# KiCad board arena_10_of_10_v1r1.kicad_pcb (continued)
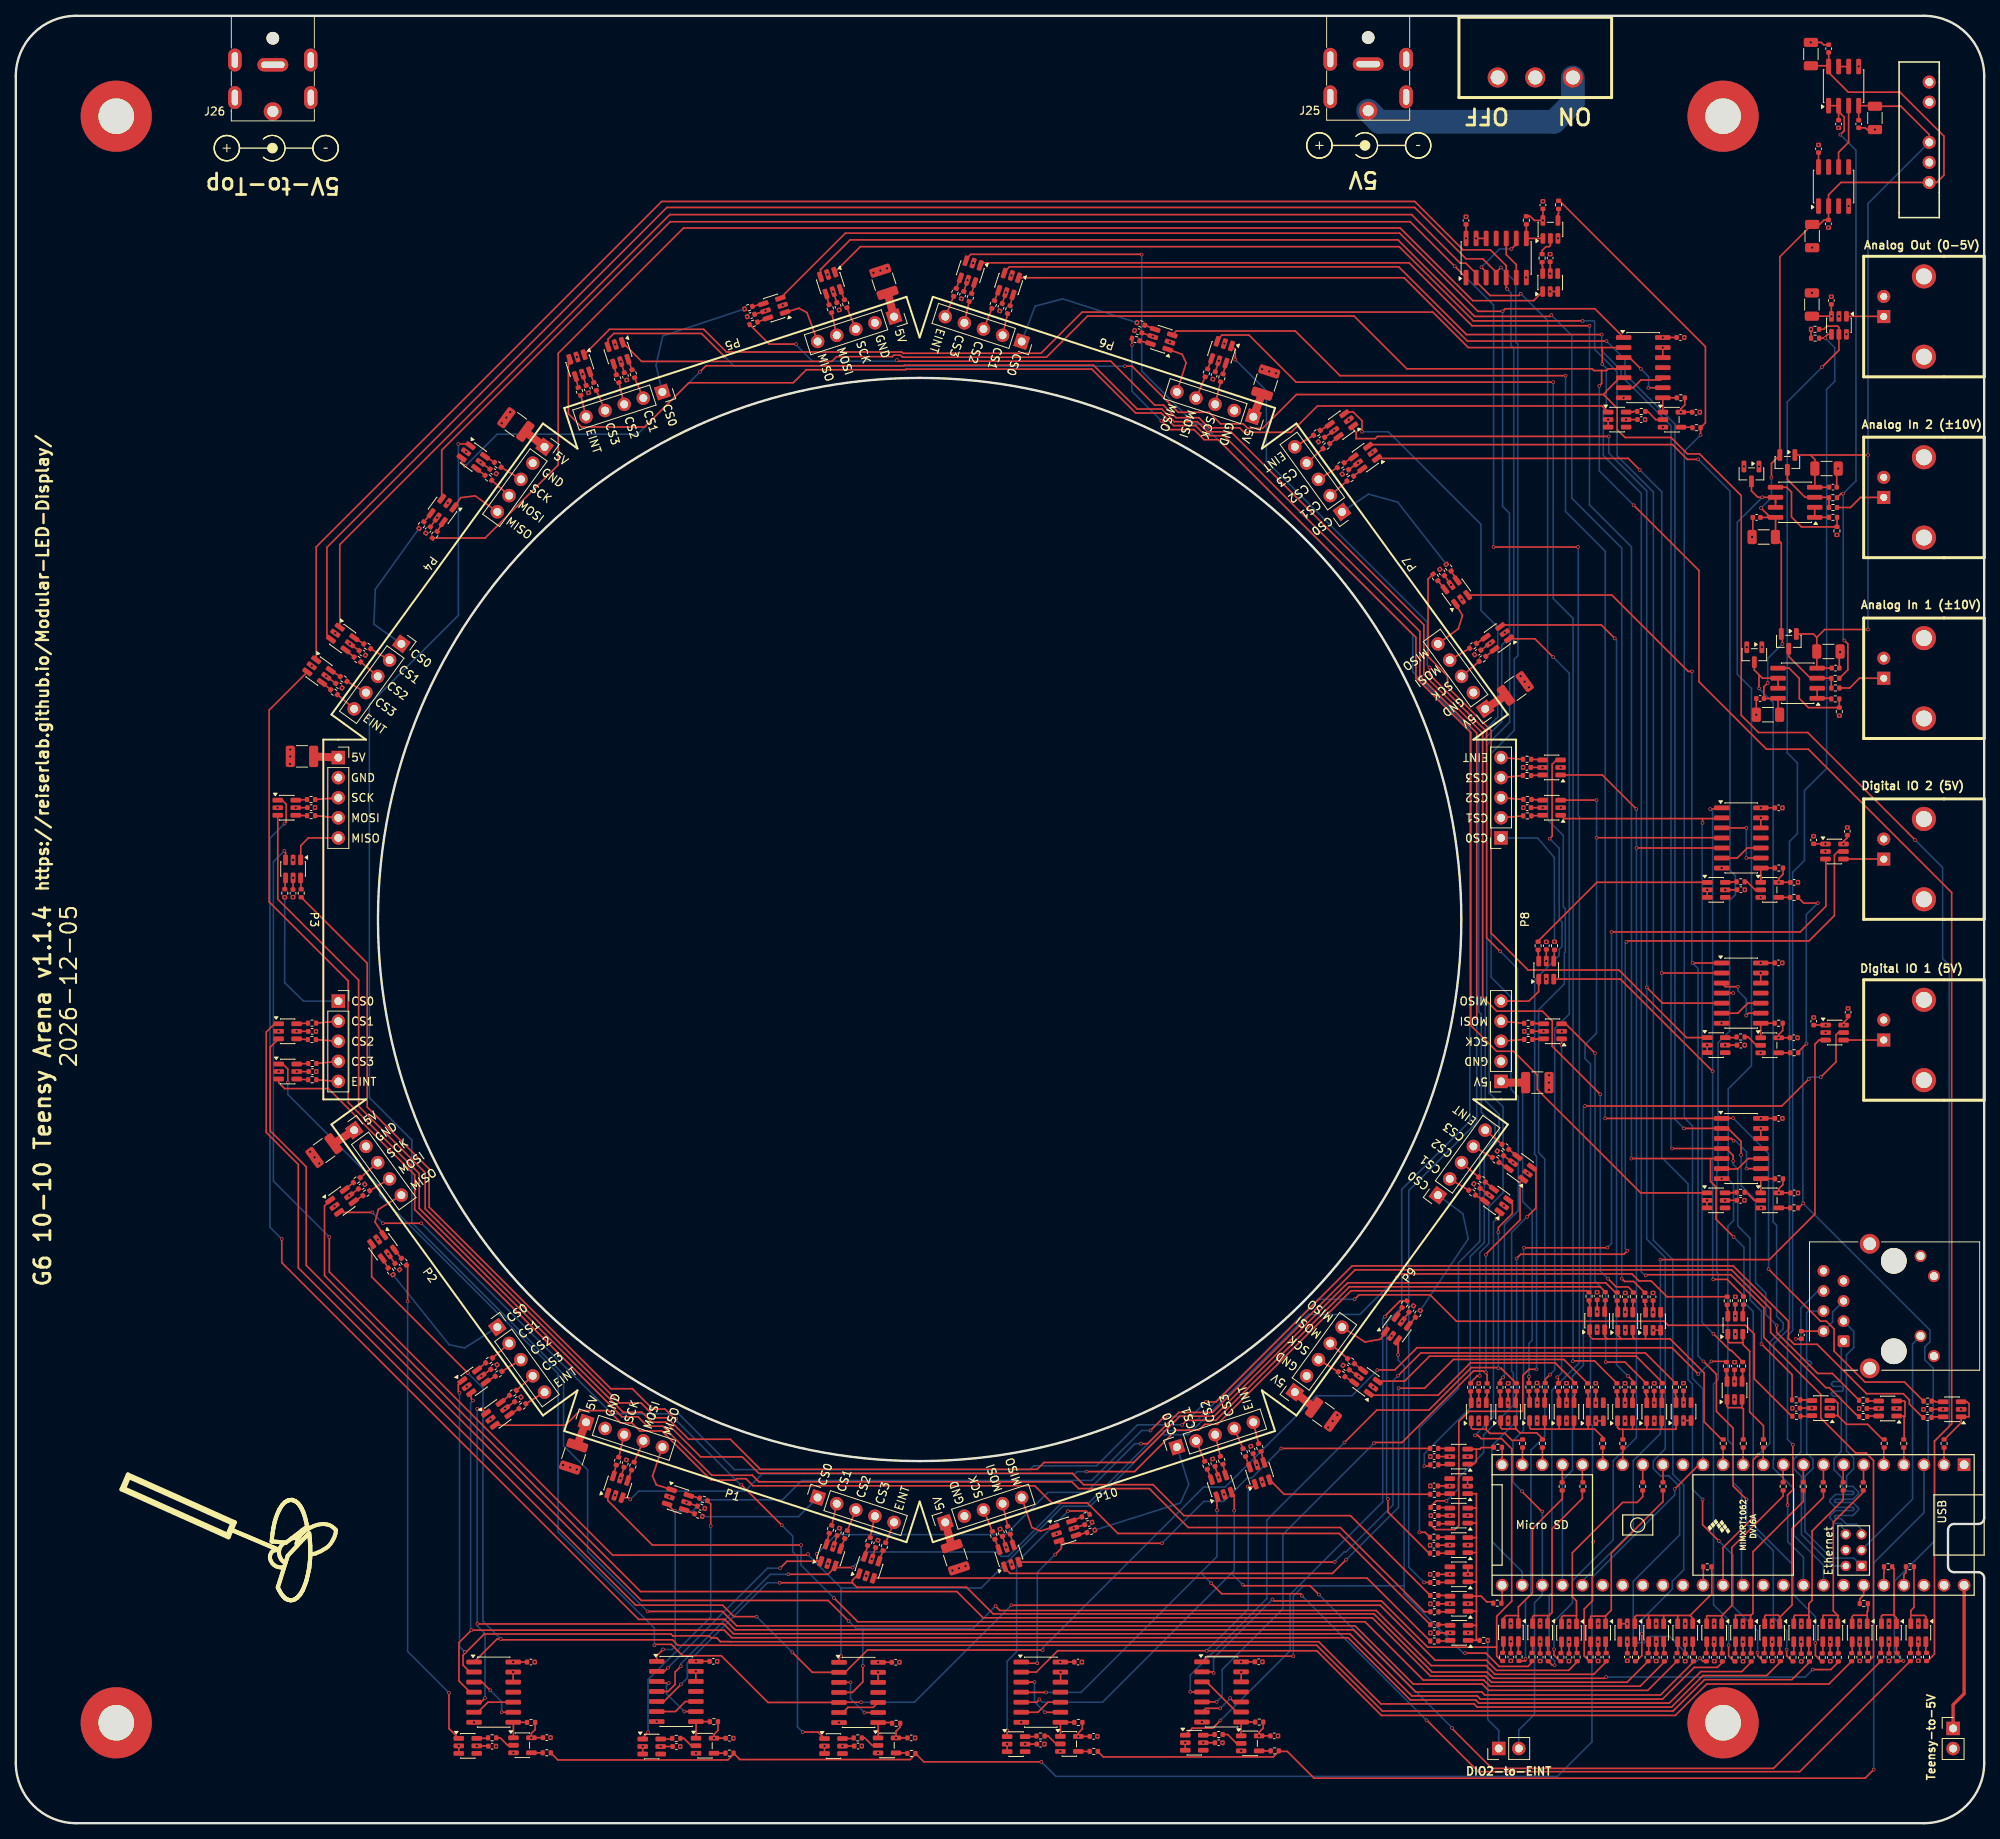
[diagram p0: board, top side]
## Routing (per net, layer and track width the routed paths; a pad name or vN(x,y) marks a point on that pad's centre or on a via; arc(x,y) is an arc through that point) (continued)
/Teensy/ETH_T-: length 39.8
  Bottom w0.2: J1.3 232.42,62.22 232.42,60.15 231.5,59.23 231.5,47.09 232.41,46.18 232.41,44.82 231.52,43.93 231.52,42.7 231.62,42.6 232.31,42.6 233.03,41.88 233.03,41.68 232.31,40.96 230.11,40.96 230.01,40.86 230.01,40.66 230.11,40.56 232.31,40.56 233.03,39.84 233.03,39.64 232.31,38.92 230.11,38.92 230.01,38.82 230.01,38.62 230.11,38.52 230.8,38.52 231.52,37.8 232.77,37.8 233.41,37.16 U1.62
Net-(J1-RCT): length 7.7
  Top w0.2: C1.1 J1.2
  Bottom w0.2: J1.5 229.75,64.65 229.75,63.38 J1.2
Net-(J30-Pin_1): length 14.3
  Top w0.2: R216.1 v1(186.14,23.13)
  Bottom w0.2: v1(186.14,23.13) 186.14,13.11 187.53,11.73 J30.1
Net-(R28-Pad1): length 1.5
  Top w0.2: R28.1 208.39,21.58 U4.6
Net-(R29-Pad1): length 1.5
  Top w0.2: U4.4 206.49,21.58 R29.1
Net-(R30-Pad1): length 1.5
  Top w0.2: R30.1 212.06,21.58 U5.6
Net-(R31-Pad1): length 1.5
  Top w0.2: R31.1 210.17,21.6 U5.4
Net-(R32-Pad1): length 1.5
  Top w0.2: U6.6 204.74,21.59 R32.1
Net-(R33-Pad1): length 2
  Top w0.2: R33.1 198.95,65.79 199.03,65.71 199.03,65.2 ; 199.03,65.2 U7.6 199.03,65.2
Net-(R34-Pad1): length 1.9
  Top w0.2: 201,66.15 201,65.57 200.93,65.5 200.93,65.1 ; 200.93,65.1 200.93,65.09 U7.4 200.93,65.1
Net-(R35-Pad1): length 1.5
  Top w0.2: R35.1 202.51,65.43 202.58,65.36 202.58,64.65
Net-(R36-Pad1): length 1.5
  Top w0.2: U8.4 204.49,65.61 204.55,65.67 R36.1
Net-(R37-Pad1): length 1.5
  Top w0.2: R37.1 206.02,65.59 206.1,65.51 U9.6
Net-(R38-Pad1): length 1.5
  Top w0.2: U10.6 191.44,53.98 191.35,54.07 R38.1
Net-(R39-Pad1): length 1.5
  Top w0.2: R39.1 193.41,54.06 193.42,54.05 193.34,53.97 U10.4
Net-(R40-Pad1): length 1.5
  Top w0.2: U11.6 195.15,53.93 195.07,54.01 R40.1
Net-(R41-Pad1): length 1.5
  Top w0.2: U11.4 197.05,54 197.13,54.09 R41.1
Net-(R42-Pad1): length 1.5
  Top w0.2: U12.6 198.85,54.18 198.77,54.26 R42.1
Net-(R43-Pad1): length 1.5
  Top w0.2: U13.6 202.55,54.03 202.48,54.11 R43.1
Net-(R44-Pad1): length 1.5
  Top w0.2: U13.4 204.45,53.98 204.54,54.07 R44.1
Net-(R45-Pad1): length 1.5
  Top w0.2: U14.6 206.25,54.04 206.17,54.12 R45.1
Net-(R46-Pad1): length 1.5
  Top w0.2: U14.4 208.15,54 208.22,54.07 R46.1
Net-(R47-Pad1): length 1.5
  Top w0.2: R47.1 209.88,54.13 209.95,54.05 U15.6
Net-(R48-Pad1): length 1.5
  Top w0.2: R48.1 242.34,51.4 U16.6
Net-(R49-Pad1): length 1.5
  Top w0.2: U16.4 242.75,53.3 242.67,53.38 R49.1
Net-(R50-Pad1): length 1.5
  Top w0.2: U17.6 234.2,51.5 R50.1
Net-(R51-Pad1): length 1.5
  Top w0.2: U17.4 234.21,53.4 R51.1
Net-(R52-Pad1): length 1.5
  Top w0.2: U18.6 227.04,51.47 R52.1
Net-(R53-Pad1): length 1.5
  Top w0.2: U18.4 227.04,53.54 R53.1
Net-(R54-Pad1): length 1.5
  Top w0.2: 230.42,22.95 230.42,21.54 R54.1
Net-(R55-Pad1): length 1.5
  Top w0.2: R55.1 228.51,21.56 U19.4
Net-(R56-Pad1): length 1.5
  Top w0.2: R56.1 226.74,21.56 U20.6
Net-(R57-Pad1): length 1.5
  Top w0.2: R57.1 224.84,21.6 U20.4
Net-(R58-Pad1): length 1.5
  Top w0.2: U21.6 223.06,21.9 223.14,21.81 R58.1
Net-(R59-Pad1): length 1.5
  Top w0.2: 221.12,21.54 R59.1 221.12,21.54 ; 221.12,21.54 221.16,21.57 U21.4
Net-(R60-Pad1): length 1.5
  Top w0.2: U22.6 219.38,21.56 R60.1
Net-(R61-Pad1): length 1.5
  Top w0.2: U22.4 217.48,21.56 R61.1
Net-(R62-Pad1): length 1.5
  Top w0.2: 215.76,21.53 R62.1 215.76,21.53 ; 215.76,21.53 215.73,21.56 U23.6
Net-(R63-Pad1): length 1.5
  Top w0.2: 213.8,21.53 213.82,21.55 U23.4 ; 213.8,21.53 R63.1 213.8,21.53
Net-(R64-Pad1): length 1.5
  Top w0.2: R64.1 216.42,64.98 216.5,64.9 U24.6
Net-(R65-Pad1): length 1.5
  Top w0.2: R65.1 218.48,64.99 218.4,64.91 U24.4
Net-(R66-Pad1): length 1.5
  Top w0.2: R66.1 216.31,56.68 216.4,56.59 216.4,55.88
Net-(R67-Pad1): length 1.5
  Top w0.2: 218.3,55.88 218.3,56.55 218.38,56.63 R67.1
Net-(R68-Pad1): length 1.5
  Top w0.2: U26.6 201.05,21.59 R68.1
Net-(R69-Pad1): length 1.5
  Top w0.2: U26.4 199.15,21.59 R69.1
Net-(R70-Pad1): length 1.4
  Top w0.2: U27.6 197.37,21.6 R70.1
Net-(R71-Pad1): length 1.5
  Top w0.2: 195.46,22.93 195.46,21.59 R71.1
Net-(R72-Pad1): length 1.5
  Top w0.2: R72.1 193.71,21.59 U28.6
Net-(R73-Pad1): length 1.5
  Top w0.2: R73.1 191.81,21.62 U28.4
Net-(R74-Pad1): length 1.5
  Top w0.2: R74.1 190.01,21.62 U29.6
Net-(R75-Pad1): length 1.5
  Top w0.2: R75.1 188.12,21.64 U29.4
Net-(R76-Pad1): length 1.5
  Top w0.2: 187.76,53.19 187.76,54 187.69,54.07 R76.1
Net-(R77-Pad1): length 1.5
  Top w0.2: U30.4 189.66,53.95 189.75,54.03 R77.1
Net-(R78-Pad1): length 1.5
  Top w0.2: R78.1 183.97,54.11 184.05,54.03 U31.6
Net-(R79-Pad1): length 1.5
  Top w0.2: U31.4 185.95,53.93 186.06,54.04 R79.1
Net-(R80-Pad1): length 1.5
  Top w0.2: 181.29,45.37 181.25,45.33 R80.1 ; 181.29,45.37 U32.6 181.29,45.37
Net-(R81-Pad1): length 1.6
  Top w0.2: 181.29,47.36 181.33,47.32 181.29,47.36 ; 181.29,47.36 181.25,47.4 R81.1
Net-(R82-Pad1): length 1.5
  Top w0.2: R82.1 241.55,21.62 U33.6
Net-(R83-Pad1): length 1.5
  Top w0.2: 239.64,22.96 239.64,21.59 R83.1
Net-(R84-Pad1): length 1.5
  Top w0.2: 237.86,21.56 237.82,21.59 U34.6 ; 237.86,21.56 R84.1 237.86,21.56
Net-(R85-Pad1): length 1.5
  Top w0.2: 235.88,21.56 R85.1 235.88,21.56 ; 235.88,21.56 235.93,21.6 U34.4
Net-(R86-Pad1): length 1.5
  Top w0.2: 234.16,21.56 R86.1 234.16,21.56 ; 234.16,21.56 234.12,21.6 U35.6
Net-(R87-Pad1): length 1.5
  Top w0.2: U35.4 232.23,21.57 232.19,21.54 ; 232.19,21.54 R87.1 232.19,21.54
Net-(R88-Pad1): length 1.5
  Top w0.2: U36.6 181.27,34.15 R88.1
Net-(R89-Pad1): length 1.5
  Top w0.2: R89.1 181.29,36.18 U36.4
Net-(R90-Pad1): length 1.4
  Top w0.2: U37.6 181.26,37.88 R90.1
Net-(R91-Pad1): length 1.4
  Top w0.2: U37.4 181.27,39.93 R91.1
Net-(R92-Pad1): length 1.5
  Top w0.2: 181.32,41.68 181.25,41.61 R92.1
Net-(R93-Pad1): length 1.6
  Top w0.2: 181.34,23.08 181.38,23.12 181.34,23.08 ; 181.34,23.08 181.3,23.04 R93.1
Net-(R94-Pad1): length 1.6
  Top w0.2: 181.34,25.07 181.3,25.11 R94.1 ; 181.34,25.07 U39.4 181.34,25.07
Net-(R95-Pad1): length 1.5
  Top w0.2: 181.33,26.78 U40.6 181.33,26.78 ; 181.33,26.78 181.29,26.74 R95.1
Net-(R96-Pad1): length 1.6
  Top w0.2: 181.32,28.75 U40.4 181.32,28.75 181.32,28.75 ; 181.32,28.75 181.27,28.8 R96.1
Net-(R97-Pad1): length 1.5
  Top w0.2: R97.1 181.28,30.45 U41.6
Net-(R98-Pad1): length 1.4
  Top w0.2: U43.6 R98.1
Net-(R99-Pad1): length 1.4
  Top w0.2: U42.6 75.57,43.92 R99.1
Net-(R100-Pad1): length 1.4
  Top w0.2: R100.1 U42.4
Net-(R101-Pad1): length 1.4
  Top w0.2: U43.4 R101.1
Net-(R102-Pad1): length 1.4
  Top w0.2: R102.1 102.87,36.69 102.51,35.33 U44.6
Net-(R103-Pad1): length 1.4
  Top w0.2: R103.1 104.84,36.03 104.31,34.73
Net-(R104-Pad1): length 1.5
  Top w0.2: R104.1 U45.6
Net-(R105-Pad1): length 1.5
  Top w0.2: U45.4 109.15,33.14 R105.1
Net-(R106-Pad1): length 1.4
  Top w0.2: 48.78,71.43 47.95,72.44 U47.6
Net-(R107-Pad1): length 1.6
  Top w0.2: 41.7,80.21 R107.1 ; 41.7,80.21 41.68,80.21 U46.6 ; 41.7,80.21 41.6,80.13
Net-(R108-Pad1): length 1.4
  Top w0.2: U46.4 42.71,78.59 43.31,78.99 R108.1
Net-(R109-Pad1): length 1.4
  Top w0.2: 46.33,71.42 47.09,70.21 R109.1
Net-(R110-Pad1): length 1.4
  Top w0.2: U48.6 58.41,57.4 R110.1
Net-(R111-Pad1): length 1.4
  Top w0.2: U48.4 60.64,56.54
Net-(R112-Pad1): length 1.5
  Top w0.2: U49.6 61.41,53.29 R112.1
Net-(R113-Pad1): length 1.5
  Top w0.2: 63.66,52.45 U49.4
Net-(R114-Pad1): length 1.4
  Top w0.2: U51.6 R114.1
Net-(R115-Pad1): length 1.4
  Top w0.2: U50.6 R115.1
Net-(R116-Pad1): length 1.4
  Top w0.2: U50.4 R116.1
Net-(R117-Pad1): length 1.4
  Top w0.2: U51.4 R117.1
Net-(R118-Pad1): length 1.4
  Top w0.2: U52.6 R118.1
Net-(R119-Pad1): length 1.4
  Top w0.2: U52.4 R119.1
Net-(R120-Pad1): length 1.5
  Top w0.2: U53.6 R120.1
Net-(R121-Pad1): length 1.5
  Top w0.2: U53.4 R121.1
Net-(R122-Pad1): length 1.4
  Top w0.2: U55.6 53.67,163.97 R122.1
Net-(R123-Pad1): length 1.4
  Top w0.2: U54.6 R123.1
Net-(R124-Pad1): length 1.4
  Top w0.2: U54.4 58.32,171.27 59.34,170.46
Net-(R125-Pad1): length 1.4
  Top w0.2: 52.52,165.69 51.6,164.59
Net-(R126-Pad1): length 1.4
  Top w0.2: U56.6 42.81,149.94 44.02,149.16
Net-(R127-Pad1): length 1.4
  Top w0.2: U56.4 41.79,148.32 R127.1
Net-(R128-Pad1): length 1.5
  Top w0.2: U57.6 41.05,145.01
Net-(R129-Pad1): length 1.5
  Top w0.2: R129.1 39.83,143.35 U57.4
Net-(R130-Pad1): length 1.4
  Top w0.2: U59.6 95.11,190.38 R130.1
Net-(R131-Pad1): length 1.4
  Top w0.2: R131.1 104.27,194 U58.6
Net-(R132-Pad1): length 1.4
  Top w0.2: U58.4 R132.1
Net-(R133-Pad1): length 1.4
  Top w0.2: R133.1 U59.4
Net-(R134-Pad1): length 1.4
  Top w0.2: R134.1 U60.6
Net-(R135-Pad1): length 1.4
  Top w0.2: U60.4 75.95,183.19 R135.1
Net-(R136-Pad1): length 1.4
  Top w0.2: 72.58,183.55 R136.1
Net-(R137-Pad1): length 1.4
  Top w0.2: 70.77,182.95 71.13,181.58 R137.1
Net-(R138-Pad1): length 1.4
  Top w0.2: R138.1 U63.6
Net-(R139-Pad1): length 1.4
  Top w0.2: 153.03,184.64 R139.1
Net-(R140-Pad1): length 1.4
  Top w0.2: R140.1 150.96,184.54 151.22,185.25
Net-(R141-Pad1): length 1.4
  Top w0.2: U63.4 143.09,189.34 R141.1
Net-(R142-Pad1): length 1.4
  Top w0.2: R142.1 125.73,191.91 U64.6
Net-(R143-Pad1): length 1.4
  Top w0.2: U64.4 123.76,192.57 R143.1
Net-(R144-Pad1): length 1.5
  Top w0.2: R144.1 U65.6
Net-(R145-Pad1): length 1.5
  Top w0.2: R145.1 U65.4
Net-(R146-Pad1): length 1.6
  Top w0.2: 180.65,156.16 180.73,156.08 U67.6 180.65,156.16 ; 180.65,156.16 179.82,157.17
Net-(R147-Pad1): length 1.4
  Top w0.2: R147.1 U66.6
Net-(R148-Pad1): length 1.4
  Top w0.2: U66.4 185.89,150.01 185.29,149.61 R148.1
Net-(R149-Pad1): length 1.4
  Top w0.2: R149.1 181.5,158.39 182.26,157.18
Net-(R150-Pad1): length 1.4
  Top w0.2: R150.1 U68.6
Net-(R151-Pad1): length 1.4
  Top w0.2: 167.96,172.06 U68.4
Net-(R152-Pad1): length 1.4
  Top w0.2: 166.21,174.53 166.16,174.48 R152.1 166.21,174.53 ; 166.21,174.53 167.19,175.31
Net-(R153-Pad1): length 1.5
  Top w0.2: 166.17,176.93 164.94,176.15 R153.1
Net-(R154-Pad1): length 1.8
  Top w0.2: 192.53,110.11 U71.6 ; 192.53,110.11 R154.1 192.51,110.13 192.53,110.11
Net-(R155-Pad1): length 2.2
  Top w0.2: 192.49,99.17 R155.1 191.81,99.17 192.49,99.17 ; 192.49,99.17 U70.6
Net-(R156-Pad1): length 2.1
  Top w0.2: 192.42,101.14 U70.4 ; 192.42,101.14 191.79,101.14 R156.1 192.42,101.14
Net-(R157-Pad1): length 1.4
  Top w0.2: U71.4 R157.1
Net-(R158-Pad1): length 1.4
  Top w0.2: R158.1 U72.6
Net-(R159-Pad1): length 1.4
  Top w0.2: R159.1 U72.4
Net-(R160-Pad1): length 1.5
  Top w0.2: U73.6 193.08,132.58 R160.1
Net-(R161-Pad1): length 1.5
  Top w0.2: R161.1 193.08,134.48 U73.4
Net-(R162-Pad1): length 1.4
  Top w0.2: U75.6 R162.1
Net-(R163-Pad1): length 1.4
  Top w0.2: R163.1 U74.6
Net-(R164-Pad1): length 1.4
  Top w0.2: U74.4 169.5,57.95 169.25,58.14
Net-(R165-Pad1): length 1.4
  Top w0.2: 176.08,62.91 176.16,63.01 R165.1
Net-(R166-Pad1): length 1.4
  Top w0.2: R166.1 185.79,78.66 U76.6
Net-(R167-Pad1): length 1.4
  Top w0.2: R167.1 U76.4
Net-(R168-Pad1): length 1.5
  Top w0.2: 187.56,83.59 U77.6
Net-(R169-Pad1): length 1.5
  Top w0.2: 188.77,85.25 U77.4
Net-(R170-Pad1): length 1.4
  Top w0.2: R170.1 133.49,38.22 U79.6
Net-(R171-Pad1): length 1.4
  Top w0.2: R171.1 U78.6
Net-(R172-Pad1): length 1.4
  Top w0.2: R172.1 U78.4
Net-(R173-Pad1): length 1.4
  Top w0.2: R173.1 134.11,36.42 U79.4
Net-(R174-Pad1): length 1.4
  Top w0.2: R174.1 U80.6
Net-(R175-Pad1): length 1.4
  Top w0.2: R175.1 152.65,45.41 U80.4
Net-(R176-Pad1): length 1.5
  Top w0.2: R176.1 U81.6
Net-(R177-Pad1): length 1.5
  Top w0.2: U81.4 157.47,47.02 R177.1
Net-(R186-Pad2): length 1.5
  Top w0.2: R186.2 89.73,8.85 U88.4
Net-(R187-Pad2): length 4.9
  Top w0.2: 86.02,11.79 86.02,12.83 U89.8 87.76,12.85 R187.2 ; 86.02,11.79 86.02,11.79 U88.1 86.02,11.79
Net-(R188-Pad1): length 2.4
  Top w0.2: U88.2 85.41,9.8 84.48,10.73 R188.1
Net-(R188-Pad2): length 1.5
  Top w0.2: R188.2 82.93,10.65 U90.6
Net-(R189-Pad2): length 1.4
  Top w0.2: U92.4 R189.2
Net-(R190-Pad2): length 3.7
  Top w0.2: U91.8 R190.2 ; U91.8 62.91,12.75 ; U91.8 62.91,12.75 ; U92.1 62.92,12.74 62.91,12.75
Net-(R191-Pad1): length 2.6
  Top w0.2: R191.1 61.25,10.8 62.19,9.86 U92.2
Net-(R191-Pad2): length 1.5
  Top w0.2: U93.6 59.66,10.73 R191.2
Net-(R192-Pad2): length 1.5
  Top w0.2: U96.4 112.68,8.89 112.72,8.85 ; 112.72,8.85 112.72,8.85 R192.2 112.72,8.85
Net-(R193-Pad2): length 3.8
  Top w0.2: 109.04,10.79 U96.1 109.04,10.79 ; 109.04,10.79 109.05,10.8 U94.8 110.72,12.73 110.76,12.68 ; 110.76,12.68 R193.2 110.76,12.68
Net-(R194-Pad1): length 2.4
  Top w0.2: R194.1 107.35,10.79 108.31,9.84 U96.2
Net-(R194-Pad2): length 1.5
  Top w0.2: 105.92,10.75 R194.2 105.92,10.75 ; 105.92,10.75 105.88,10.71 U97.6
Net-(R195-Pad2): length 1.9
  Top w0.2: 195.02,203.11 195.02,203.5 195.1,203.58 R195.2 ; 195.02,203.11 U100.4 195.02,203.11
Net-(R196-Pad2): length 3.9
  Top w0.2: U100.1 191.02,200.44 U95.8 191.02,200.45 R196.2
Net-(R197-Pad1): length 3.1
  Top w0.2: R197.1 193.01,198.91 193.5,199.4 193.9,199.4 194.07,199.57 194.07,200.01 ; 194.07,200.01 U100.2 194.07,200.01 194.07,200.01
Net-(R197-Pad2): length 1.5
  Top w0.2: U101.6 193.09,196.89 193.01,196.97 R197.2
Net-(R198-Pad2): length 1.5
  Top w0.2: U104.4 211.96,176.57 R198.2
Net-(R199-Pad2): length 3.6
  Top w0.2: 208.28,178.48 208.27,178.49 U98.8 R199.2 ; 208.28,178.48 U104.1 208.28,178.48
Net-(R200-Pad1): length 2.7
  Top w0.2: U104.2 207.4,177.52 206.36,178.56 R200.1
Net-(R200-Pad2): length 1.4
  Top w0.2: R200.2 204.57,178.56 204.49,178.48 U105.6
Net-(R201-Pad2): length 1.4
  Top w0.2: 222.95,77.83 R201.2
Net-(R202-Pad2): length 3.6
  Top w0.2: U108.1 U99.8 222.43,81.53 R202.2
Net-(R203-Pad1): length 2.5
  Top w0.2: U108.2 219.85,78.78 218.82,79.8 R203.1
Net-(R203-Pad2): length 1.5
  Top w0.2: R203.2 217.14,79.8 217.07,79.73 U109.6
Net-(R204-Pad2): length 1.5
  Top w0.2: R204.2 224.37,97.44 U112.4
Net-(R205-Pad2): length 3.6
  Top w0.2: R205.2 U102.8 220.65,101.17 U112.1
Net-(R206-Pad1): length 2.5
  Top w0.2: R206.1 219.07,99.44 220.12,98.39 U112.2
Net-(R206-Pad2): length 1.5
  Top w0.2: U113.6 217.53,99.36 R206.2
Net-(R207-Pad2): length 1.4
  Top w0.2: 224.37,117.1 224.36,117.1 U116.4 ; 224.37,117.1 R207.2 224.37,117.1
Net-(R208-Pad2): length 4.5
  Top w0.2: 220.66,119.9 220.66,120.79 U103.8 222.44,120.81 222.44,120.81 ; 220.66,119.9 U116.1 220.66,119.9 ; 222.44,120.81 R208.2 222.44,120.81
Net-(R209-Pad1): length 2.4
  Top w0.2: U116.2 219.96,118.05 218.94,119.07 R209.1
Net-(R209-Pad2): length 1.5
  Top w0.2: R209.2 217.06,119.07 216.99,119 U117.6
Net-(R210-Pad2): length 1.5
  Top w0.2: R210.2 158.69,9.15 U120.4
Net-(R211-Pad2): length 3.5
  Top w0.2: R211.2 U106.8 154.95,11.05 U120.1
Net-(R212-Pad1): length 2.8
  Top w0.2: R212.1 153.26,11.21 154.38,10.1 U120.2
Net-(R212-Pad2): length 1.5
  Top w0.2: U121.6 151.52,11.13 R212.2
Net-(R213-Pad2): length 1.4
  Top w0.2: R213.2 135.8,9.08 U124.4
Net-(R214-Pad2): length 3.5
  Top w0.2: U124.1 132.1,10.99 U107.8 133.84,12.76 R214.2
Net-(R215-Pad1): length 2.4
  Top w0.2: U124.2 131.56,10.03 130.55,11.03 R215.1
Net-(R215-Pad2): length 1.5
  Top w0.2: R215.2 129,10.95 U125.6
Net-(U1-0_RX1_CRX2_CS1): length 2.2
  Top w0.2: U1.2 243.84,47.51 R1.2
Net-(U1-2_OUT2): length 2.2
  Top w0.2: R2.2 238.75,47.31 238.76,47.3 U1.4
Net-(U1-3_LRCLK2): length 2.2
  Top w0.2: R3.2 236.27,47.38 236.22,47.32 U1.5
Net-(U1-4_BCLK2): length 2.3
  Top w0.2: U1.6 233.66,45.32 233.66,43.1
Net-(U1-5_IN2): length 2.3
  Top w0.2: U1.7 231.09,45.29 231.09,43.12 231.1,43.11
Net-(U1-6_OUT1D): length 2.3
  Top w0.2: 228.52,43.09 228.59,43.15 228.59,45.33 U1.8
Net-(U1-7_RX2_OUT1A): length 2.2
  Top w0.2: U1.9 226.05,45.33 226.05,43.11
Net-(U1-8_TX2_IN1): length 2.2
  Top w0.2: U1.10 223.49,45.31 223.49,43.12 R8.2
Net-(U1-9_OUT1C): length 2.2
  Top w0.2: R9.2 221,47.36 220.98,47.34 U1.11
Net-(U1-10_CS_MQSR): length 2.2
  Top w0.2: R10.2 218.45,47.34 218.44,47.33 U1.12
Net-(U1-11_MOSI_CTX1): length 2.2
  Top w0.2: 215.92,47.49 215.92,47.33 215.9,47.31 U1.13
Net-(U1-13_SCK_LED): length 2.3
  Top w0.2: U1.35 213.4,30.14 R24.2
Net-(U1-21_A7_RX5_BCLK1): length 2.5
  Top w0.2: U1.43 233.68,28.86 233.19,28.37 R23.2
Net-(U1-22_A8_CTX1): length 2.4
  Top w0.2: U1.44 236.22,31.59 236.26,31.63 R22.2
Net-(U1-23_A9_CRX1_MCLK1): length 2.4
  Top w0.2: U1.45 238.76,31.44 239.02,31.7 R21.2
Net-(U1-24_A10_TX6_SCL2): length 2.2
  Top w0.2: R12.2 208.3,45.32 U1.16
Net-(U1-25_A11_RX6_SDA2): length 2.2
  Top w0.2: R13.2 U1.17
Net-(U1-26_A12_MOSI1): length 2.2
  Top w0.2: U1.18 203.22,45.36 R14.2
Net-(U1-27_A13_SCK1): length 2
  Top w0.2: 200.68,47.33 200.68,45.36 U1.19
Net-(U1-28_RX7): length 2.3
  Top w0.2: 198.18,43.06 198.11,43.13 198.11,45.33 U1.20
Net-(U1-29_TX7): length 2.3
  Top w0.2: 195.57,43.06 195.57,45.33 U1.21
Net-(U1-30_CRX3): length 2.2
  Top w0.2: R18.2 193.06,47.51 193.06,45.36 U1.22
Net-(U1-31_CTX3): length 2.2
  Top w0.2: U1.23 190.54,45.38 190.54,47.51 R19.2
Net-(U1-32_OUT1B): length 2.2
  Top w0.2: R20.2 187.94,47.41 187.96,47.38 U1.24
Net-(U1-33_MCLK2): length 2.3
  Top w0.2: R25.2 187.86,27.91 187.96,28.01 U1.25
Net-(U1-34_RX8): length 134.6
  Top w0.2: v1(189.78,71.43) 190.31,71.96 203.36,71.96 v1(203.8,72.4) ; v1(203.69,111.48) 203.8,111.59 226.77,111.59 229.98,114.8 229.98,122.46 230.42,122.9 U3.5
  Bottom w0.2: v1(203.69,111.48) 203.52,111.32 203.52,72.68 v1(203.8,72.4) ; U1.26 190.5,31.8 187,35.3 187,35.31 186.66,35.65 186.66,47.74 189.79,50.87 189.79,70.83 189.78,70.84 v1(189.78,71.43)
Net-(U1-36_CS): length 100.3
  Top w0.2: v1(228.25,94.36) 230.18,96.29 230.18,99.7 230.48,100 U2.5 ; v1(198.45,90.71) 223.32,90.71 v1(226.73,94.12)
  Bottom w0.2: v1(226.73,94.12) 226.98,94.36 v1(228.25,94.36) ; U1.28 195.58,43.37 196.85,44.64 196.85,56.53 198.23,57.91 198.23,90.49 v1(198.45,90.71)
Net-(U83A-+): length 8.7
  Top w0.2: R184.1 229.28,166.42 R182.2 229.23,167.7 227.49,167.7 ; 227.49,167.7 226.28,167.7 224.03,169.95 D3.3 ; 227.49,167.7 U83.3
Net-(U83A--): length 3.1
  Top w0.2: U83.2 U83.1 229.29,165.16 229.29,165.17 ; 229.29,165.17 R180.2 229.29,165.17
Net-(U83B-+): length 12.9
  Top w0.2: R180.1 230.31,163.97 R178.2 225.8,163.96 224.55,165.21 224.55,168.36 223.94,168.97 222.54,168.97
Net-(U84-NR): length 1.8
  Top w0.2: C99.1 227.97,209.49 227.96,209.49
Net-(U84-Vout): length 8.3
  Top w0.2: U84.6 230.5,211.34 231.77,212.61 U87.3
Net-(U86A-+): length 8.7
  Top w0.2: D4.3 224.21,147.56 226.95,144.82 U86.3 229.56,144.82 R183.2 229.58,143.59 R185.1
Net-(U86A--): length 3.1
  Top w0.2: U86.2 U86.1 229.5,142.28 R181.2
Net-(U86B-+): length 12.4
  Top w0.2: U86.5 224.25,146.09 225.54,144.8 225.54,142.25 226.69,141.1 R179.2 R181.1
Net-(U87B--): length 1.3
  Top w0.2: U87.7 U87.6
Net-(U89-Pad3): length 7.7
  Top w0.2: v1(82.57,17.73) 81.85,17.73 81.65,17.93 U89.3 ; U89.9 v1(84.54,14.12)
  Bottom w0.2: v1(82.57,17.73) 82.28,17.43 82.28,16.38 v1(84.54,14.12)
Net-(U89-Pad10): length 5.5
  Top w0.2: U89.6 83.4,14.12 84.67,15.39 U89.10
Net-(U91-Pad3): length 7.3
  Top w0.2: U91.9 v1(61.44,14.04) ; v1(60,16.8) 58.96,17.85 U91.3
  Bottom w0.2: v1(61.44,14.04) 61.44,15.36 v1(60,16.8)
Net-(U91-Pad10): length 5.5
  Top w0.2: 62.9,15.31 59.7,15.31 58.43,14.04 U91.6
Net-(U94-Pad3): length 7.7
  Top w0.2: U94.9 v1(107.31,14) ; v1(105.56,17.81) 105.56,17.81 U94.3
  Bottom w0.2: v1(107.31,14) 105.56,15.75 105.56,17.81 v1(105.56,17.81)
Net-(U94-Pad10): length 5.5
  Top w0.2: U94.6 104.59,14 105.24,14.65 108.43,14.65 U94.10
Net-(U95-Pad3): length 7.9
  Top w0.2: U95.3 185.94,196.21 v1(185.34,196.81) ; U95.9 189.75,199.72 v1(189.14,199.12)
  Bottom w0.2: v1(185.34,196.81) 187.65,199.12 v1(189.14,199.12)
Net-(U95-Pad10): length 5.5
  Top w0.2: U95.10 188.47,198.41 189.75,197.14 U95.6
Net-(U98-Pad3): length 7.4
  Top w0.2: v1(205.5,183.95) 204.08,185.37 U98.3 ; U98.9 206.46,181.56 v1(206.45,181.55)
  Bottom w0.2: v1(206.45,181.55) 206.49,181.59 206.49,182.96 v1(205.5,183.95)
Net-(U98-Pad10): length 5.5
  Top w0.2: U98.6 204.53,181.56 205.51,182.53 207.98,182.53 U98.10
Net-(U99-Pad3): length 7.8
  Top w0.2: v1(217.22,86.32) 216.94,86.61 215.73,86.61 ; U99.9 v1(218.86,82.8)
  Bottom w0.2: v1(217.22,86.32) 217.45,86.32 218.86,84.91 v1(218.86,82.8)
Net-(U99-Pad10): length 5.5
  Top w0.2: U99.6 215.78,82.74 217.74,82.74 219.07,84.07 U99.10
Net-(U102-Pad3): length 8.3
  Top w0.2: v1(218.82,102.15) 219.12,102.45 U102.9 ; v1(217.77,105.8) 216.17,105.8 U102.3
  Bottom w0.2: v1(217.77,105.8) 217.77,105.29 218.82,104.25 v1(218.82,102.15)
Net-(U102-Pad10): length 5.5
  Top w0.2: U102.6 217.76,102.45 219.03,103.72 U102.10
Net-(U103-Pad3): length 8.8
  Top w0.2: U103.9 v1(218.84,122.08) ; U103.3 v1(218.84,125.89)
  Bottom w0.2: v1(218.84,122.08) v1(218.84,125.89)
Net-(U103-Pad10): length 5.5
  Top w0.2: U103.10 218.96,123.35 217.69,122.08 U103.6
Net-(U106-Pad3): length 6.5
  Top w0.2: U106.3 150.58,17.87 154.39,14.06 U106.9
Net-(U106-Pad10): length 5.9
  Top w0.2: U106.10 154.05,15.33 v1(153.56,15.82) ; v1(152.31,14.52) 150.46,14.52 U106.6
  Bottom w0.2: v1(152.31,14.52) 153.56,15.78 v1(153.56,15.82)
Net-(U107-Pad3): length 8
  Top w0.2: v1(128.82,17.84) U107.3 ; U107.9 v1(130.14,14.03)
  Bottom w0.2: v1(130.14,14.03) 128.82,15.35 v1(128.82,17.84)
Net-(U107-Pad10): length 5.5
  Top w0.2: U107.6 129.25,14.03 130.52,15.3 U107.10

## Copper pours and planes (outline as drawn; the poured copper is in the pictures)
+3.3V on In3.Cu: 1.27,220.98 7.62,227.33 241.3,227.33 247.65,220.98 247.65,7.62 241.3,1.27 7.62,1.27 1.27,7.62
+5V on In2.Cu: 1.27,220.98 7.62,227.33 241.3,227.33 247.65,220.98 247.65,7.62 241.3,1.27 7.62,1.27 1.27,7.62
GND on In1.Cu: 1.27,220.98 7.62,227.33 241.3,227.33 247.65,220.98 247.65,7.62 241.3,1.27 7.62,1.27 1.27,7.62
GND on In4.Cu: 1.27,220.98 7.62,227.33 241.3,227.33 247.65,220.98 247.65,7.62 241.3,1.27 7.62,1.27 1.27,7.62

## Text on the board
B.Silkscreen: https://reiserlab.github.io/Modular-LED-Display/ | ${CURRENT_DATE} | ${TITLE} ${REVISION}
F.Silkscreen: DIO2-to-EINT | Digital IO 1 (5V) | Analog In 1 (±10V) | Digital IO 2 (5V) | Analog In 2 (±10V) | Analog Out (0-5V) | Teensy-to-5V | https://reiserlab.github.io/Modular-LED-Display/ | ${CURRENT_DATE} | ${TITLE} ${REVISION} | 5V-to-Top | 5V | ON    OFF
